# KiCad board redherring.kicad_pcb (continued)
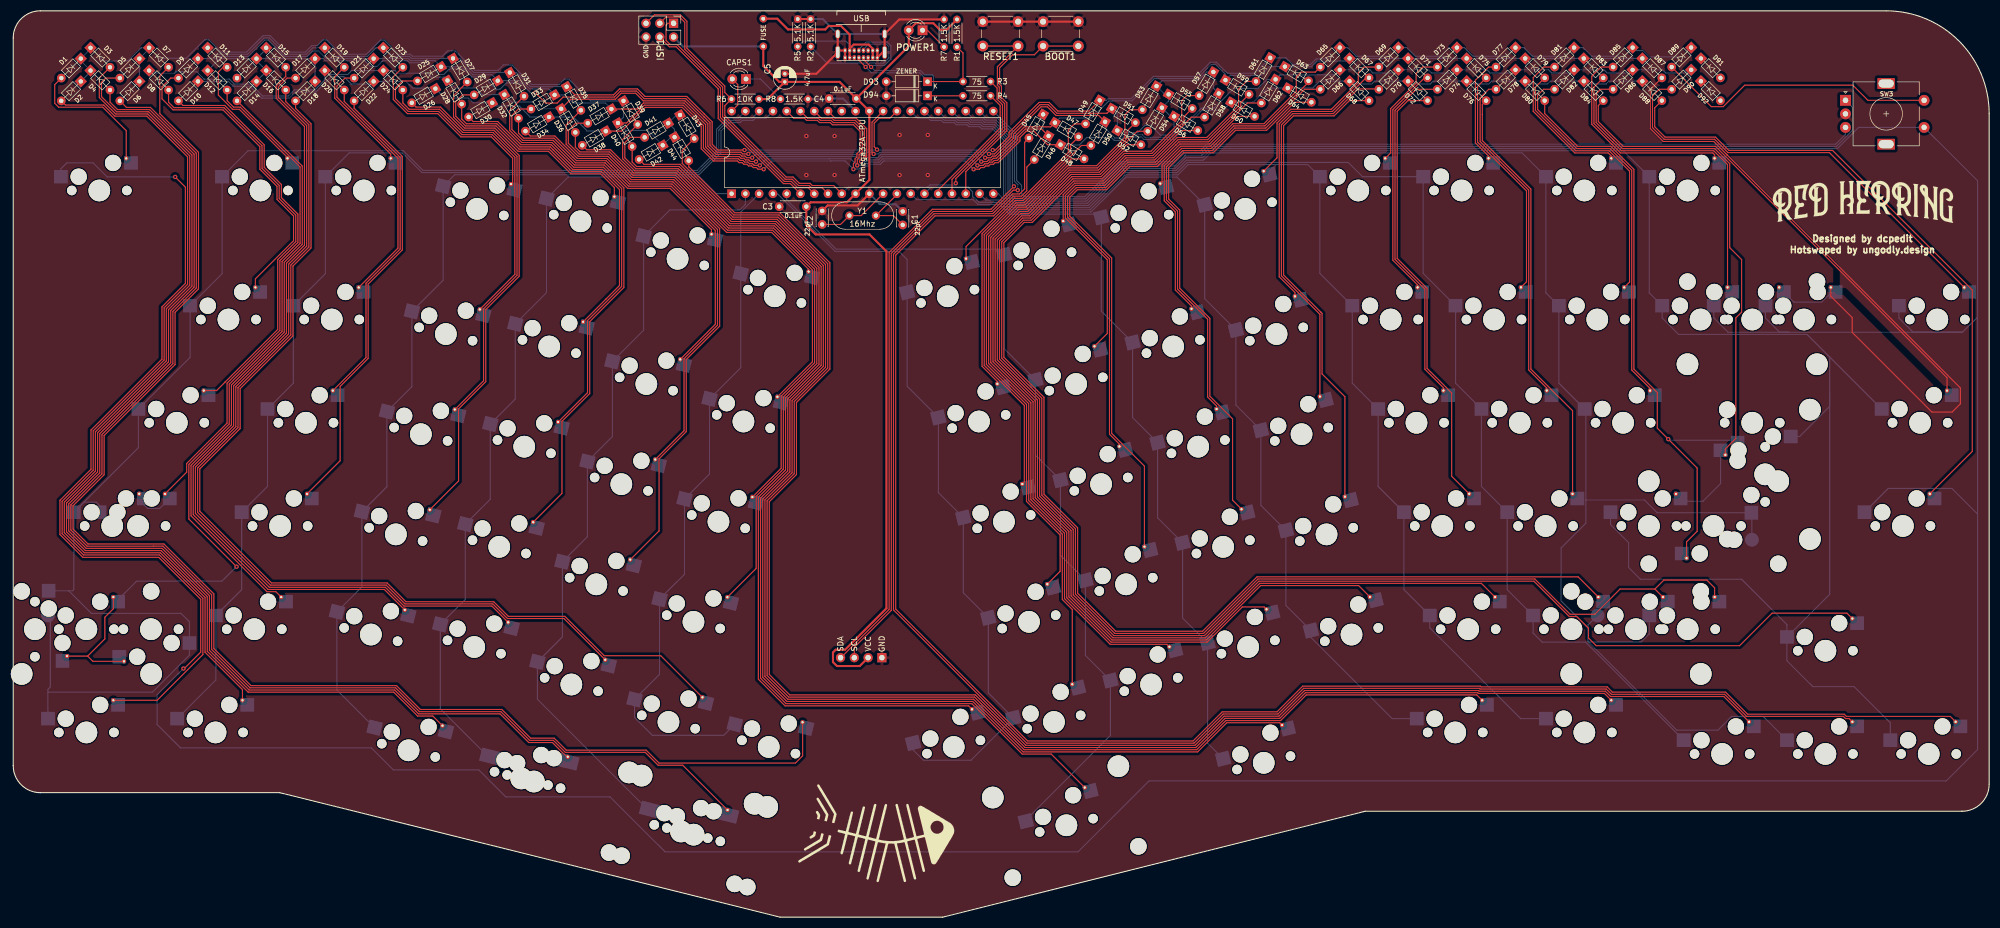
[diagram p0: board, top side]
## Routing (per net, layer and track width the routed paths; a pad name or vN(x,y) marks a point on that pad's centre or on a via; arc(x,y) is an arc through that point) (continued)
Net-(D21-Pad2): length 48.6
  Top w0.203: MX202.2 70.95,123.46 70.95,140.05 59.69,151.31 59.69,153.36 61.17,154.84 D21.2
Net-(D22-Pad2): length 83.5
  Top w0.203: MX402.2 60.28,84.22 60.28,97.94 65.45,103.1 65.45,116.82 71.75,123.13 71.75,140.38 62.86,149.27 D22.2
Net-(D23-Pad2): length 38.1
  Top w0.203: MX103.2 92.09,135.56 92.09,140.06 88.15,144 82.56,144 78.28,148.28 72.69,148.28 70.08,150.89 70.08,155.08 D23.2
Net-(D24-Pad2): length 79
  Top w0.203: MX303.2 86.73,98.98 86.73,112.29 92.9,118.45 92.9,140.39 88.48,144.81 82.9,144.81 78.62,149.09 73.03,149.09 71.84,150.27 D24.2
Net-(D25-Pad2): length 63.8
  Top w0.203: D25.2 71.78,154.31 70.48,153.02 70.48,151.06 72.86,148.68 78.45,148.68 82.73,144.4 88.32,144.4 92.49,140.23 92.49,118.62 MX203.2
Net-(D26-Pad2): length 96
  Top w0.203: MX403.2 82.12,80.5 82.12,93.8 87.14,98.82 87.14,112.12 93.3,118.28 93.3,140.56 88.65,145.21 83.06,145.21 78.79,149.49 74.29,149.49 D26.2
Net-(D27-Pad2): length 44.2
  Top w0.203: D27.2 81.22,151.63 81.22,151.13 81.19,151.1 81.19,147.65 83.23,145.61 88.82,145.61 93.1,141.33 98.69,141.33 102.84,137.18 108.32,137.18 110.85,134.64 MX104.2
Net-(D28-Pad2): length 85.5
  Top w0.203: D28.2 82.7,147.29 83.57,146.42 89.18,146.42 93.46,142.14 99.02,142.14 99.57,141.59 99.57,141.59 103.18,137.99 108.65,137.99 112.2,134.44 112.2,116.39 105.9,110.1 105.9,96.79 MX304.2
Net-(D29-Pad2): length 69.6
  Top w0.203: D29.2 82.83,151.74 81.59,150.5 81.59,147.82 83.4,146.02 89.01,146.02 93.29,141.74 98.85,141.74 103.01,137.58 108.48,137.58 111.79,134.27 111.79,116.56 109.27,114.03 MX204.2
Net-(D30-Pad2): length 102.7
  Top w0.203: D30.2 84.82,146.82 89.35,146.82 93.62,142.54 99.19,142.54 103.34,138.39 108.82,138.39 112.6,134.61 112.6,116.2 106.3,109.9 106.3,96.62 101.19,91.51 101.19,78.2 MX404.2
Net-(D31-Pad2): length 53
  Top w0.203: MX105.2 128.76,126.86 121.14,134.49 113.29,134.49 108.99,138.79 103.51,138.79 99.36,142.95 93.79,142.95 91.54,145.19 91.54,148.86 D31.2
Net-(D32-Pad2): length 94
  Top w0.203: D32.2 93.17,144.7 94.13,143.75 99.71,143.75 103.86,139.6 109.32,139.6 110.24,138.68 113.62,135.3 121.47,135.3 129.87,126.9 129.87,109.23 123.7,103.07 123.7,89.77 MX305.2
Net-(D33-Pad2): length 78.3
  Top w0.203: D33.2 93.13,149.13 91.95,147.94 91.95,145.36 93.96,143.35 99.54,143.35 103.7,139.2 109.15,139.2 113.45,134.89 121.3,134.89 129.46,126.73 129.46,109.4 MX205.2
Net-(D34-Pad2): length 111.2
  Top w0.203: D34.2 95.35,144.16 99.88,144.16 104.03,140 109.49,140 113.79,135.7 121.64,135.7 130.27,127.07 130.27,109.07 124.1,102.9 124.1,89.6 119.09,84.59 119.09,71.28 MX405.2
Net-(D35-Pad2): length 62.1
  Top w0.203: MX106.2 146.67,119.55 139.86,126.36 131.55,126.36 121.8,136.1 113.96,136.1 109.65,140.41 104.2,140.41 101.96,142.65 101.96,146.18 D35.2
Net-(D36-Pad2): length 103
  Top w0.203: D36.2 103.65,142.09 104.53,141.21 109.99,141.21 114.29,136.91 122.14,136.91 131.88,127.17 140.19,127.17 147.77,119.58 147.77,102.32 141.61,96.15 141.61,82.85 MX306.2
Net-(D37-Pad2): length 87.3
  Top w0.203: MX206.2 147.37,102.48 147.37,119.42 140.02,126.76 131.71,126.76 121.97,136.51 114.12,136.51 109.82,140.81 104.37,140.81 102.36,142.81 102.36,145.16 103.72,146.51 D37.2
Net-(D38-Pad2): length 120.2
  Top w0.203: MX406.2 137,64.36 137,77.67 142.01,82.68 142.01,95.99 148.18,102.15 148.18,119.75 140.36,127.57 132.05,127.57 122.3,137.31 114.46,137.31 110.15,141.62 105.76,141.62 D38.2
Net-(D39-Pad2): length 174.3
  Top w0.203: D39.2 112.37,143.51 112.37,139.97 114.62,137.72 122.47,137.72 132.21,127.97 140.52,127.97 148.58,119.92 148.58,101.98 142.42,95.82 142.42,82.51 137.4,77.5 137.4,43.92 142.32,39 176.17,39 MX607.2
Net-(D40-Pad2): length 230.5
  Top w0.203: D40.2 114.13,139.35 114.96,138.52 122.81,138.52 132.55,128.78 140.85,128.78 149.38,120.25 149.38,101.65 143.22,95.48 143.22,82.18 138.21,77.17 138.21,44.25 142.66,39.81 176.93,39.81 186.23,30.5 218.4,30.5 223.78,35.88 233.54,35.88 MX609.2
Net-(D41-Pad2): length 200.1
  Top w0.203: MX608.2 191.41,30.1 186.07,30.1 176.76,39.4 142.49,39.4 137.81,44.08 137.81,77.33 142.82,82.35 142.82,95.65 148.98,101.82 148.98,120.08 140.69,128.38 132.38,128.38 122.64,138.12 114.79,138.12 112.78,140.13 112.78,142.91 113.77,143.9 D41.2
Net-(D42-Pad2): length 265.5
  Top w0.203: MX610.2 269.87,41.02 238.45,41.02 233.71,36.28 223.61,36.28 218.23,30.9 186.4,30.9 177.09,40.21 142.82,40.21 138.61,44.42 138.61,77 143.62,82.01 143.62,95.32 149.79,101.48 149.79,120.42 141.02,129.18 132.72,129.18 122.97,138.93 116.32,138.93 D42.2
Net-(D43-Pad2): length 286.6
  Top w0.203: MX611.2 293.41,41.29 270.17,41.29 270.04,41.42 238.28,41.42 233.54,36.68 223.44,36.68 218.07,31.31 186.57,31.31 177.26,40.61 142.99,40.61 139.01,44.59 139.01,76.83 144.03,81.85 144.03,95.15 150.19,101.31 150.19,120.58 141.19,129.59 132.88,129.59 123.37,139.09 123.37,141.48 D43.2
Net-(D44-Pad2): length 307.8
  Top w0.203: MX612.2 315.42,40.72 294.55,40.72 293.58,41.69 270.34,41.69 270.21,41.82 238.12,41.82 233.38,37.09 223.28,37.09 217.9,31.71 186.73,31.71 177.43,41.01 143.19,41.01 139.42,44.78 139.42,76.67 144.43,81.68 144.43,94.98 150.59,101.15 150.59,120.75 141.35,129.99 133.05,129.99 124.56,138.47 D44.2
Net-(D45-Pad2): length 298.3
  Top w0.203: MX613.2 338.54,36.65 337.88,36.65 337.48,37.05 319.65,37.05 315.58,41.12 294.72,41.12 293.75,42.1 270.5,42.1 270.37,42.23 237.95,42.23 233.21,37.49 223.11,37.49 217.73,32.11 186.9,32.11 162.32,56.69 162.32,122.32 169.82,129.82 180.63,129.82 184.26,133.45 185.57,133.45 186.5,134.38 186.5,142.99 D45.2
Net-(D46-Pad2): length 313.2
  Top w0.203: MX614.2 357.18,37.05 338.05,37.05 337.64,37.45 319.82,37.45 315.75,41.52 294.89,41.52 293.91,42.5 270.67,42.5 270.54,42.63 237.78,42.63 233.04,37.89 222.94,37.89 217.57,32.51 187.07,32.51 162.73,56.86 162.73,122.15 169.99,129.42 180.8,129.42 184.43,133.05 185.91,133.05 186.91,134.04 186.91,138.42 D46.2
Net-(D47-Pad2): length 55
  Top w0.203: D47.2 194.97,142.52 194.97,140.96 186.25,132.24 184.76,132.24 178.65,126.13 178.65,101.66 181.47,98.85 MX207.2
Net-(D48-Pad2): length 94.8
  Top w0.203: MX407.2 193.05,63.82 193.05,70.52 186.85,76.72 186.85,94.6 179.46,102 179.46,125.8 184.86,131.2 185.1,131.44 186.58,131.44 195.08,139.93 D48.2
Net-(D49-Pad2): length 36.1
  Top w0.203: MX107.2 175.71,123.76 184.6,132.65 186.08,132.65 194.56,141.13 194.56,145.28 195.67,146.39 D49.2
Net-(D50-Pad2): length 75.7
  Top w0.203: MX307.2 186.45,80.31 186.45,94.44 179.05,101.83 179.05,125.96 184.93,131.84 186.41,131.84 196.98,142.41 D50.2
Net-(D51-Pad2): length 131.6
  Top w0.203: MX508.2 212.74,50.35 202.29,50.35 193.86,58.78 193.86,70.85 187.66,77.05 187.66,94.94 180.26,102.33 180.26,125.46 185.43,130.63 186.92,130.63 194.55,138.27 199.94,138.27 205.4,143.73 205.4,145.08 D51.2
Net-(D52-Pad2): length 169.6
  Top w0.203: MX510.2 248.09,61.19 230.02,61.19 219.98,51.15 202.63,51.15 194.66,59.12 194.66,71.18 188.46,77.38 188.46,95.27 181.07,102.66 181.07,125.12 185.77,129.82 187.25,129.82 194.89,137.46 200.27,137.46 205.35,142.54 D52.2
Net-(D53-Pad2): length 129.5
  Top w0.203: MX507.2 195.29,56.78 193.45,58.62 193.45,70.69 187.25,76.88 187.25,94.77 179.86,102.16 179.86,125.63 185.26,131.03 186.75,131.03 194.39,138.67 199.77,138.67 204.99,143.89 204.99,148.08 205.91,149 D53.2
Net-(D54-Pad2): length 151.8
  Top w0.203: MX509.2 230.67,57.25 226.65,57.25 220.15,50.75 202.46,50.75 194.26,58.95 194.26,71.02 188.06,77.22 188.06,95.1 180.66,102.5 180.66,125.29 185.6,130.23 187.08,130.23 194.72,137.87 200.11,137.87 207.26,145.02 D54.2
Net-(D55-Pad2): length 276.9
  Top w0.203: MX514.2 338.13,56.1 324.34,56.1 318.34,50.1 291.9,50.1 290.48,51.52 290.48,53.31 288.31,55.48 286.94,55.48 280.42,62 229.69,62 219.65,51.96 202.96,51.96 195.47,59.45 195.47,71.52 189.27,77.72 189.27,95.6 181.87,103 181.87,124.79 186.1,129.02 187.58,129.02 195.22,136.66 200.61,136.66 204.89,140.94 209.97,140.94 215.87,146.84 215.87,147.7 D55.2
Net-(D56-Pad2): length 219.3
  Top w0.203: D56.2 215.33,145.16 210.31,140.13 205.22,140.13 200.94,135.85 195.56,135.85 187.92,128.21 186.43,128.21 182.68,124.46 182.68,103.33 190.07,95.94 190.07,78.05 196.27,71.85 196.27,59.78 203.29,52.76 219.31,52.76 229.35,62.8 288.57,62.8 MX512.2
Net-(D57-Pad2): length 208.3
  Top w0.203: MX511.2 270.73,61.59 229.85,61.59 219.82,51.56 202.79,51.56 195.07,59.28 195.07,71.35 188.86,77.55 188.86,95.44 181.47,102.83 181.47,124.96 185.93,129.42 187.42,129.42 195.05,137.06 200.44,137.06 204.72,141.34 209.81,141.34 215.47,147.01 215.47,150.69 216.39,151.61 D57.2
Net-(D58-Pad2): length 252.3
  Top w0.203: MX513.2 313.74,60.77 312.31,62.2 304.37,62.2 302.73,60.55 ; 302.73,60.55 296.3,60.55 291.64,55.89 287.1,55.89 280.59,62.4 229.52,62.4 219.48,52.36 203.13,52.36 195.87,59.62 195.87,71.68 189.67,77.89 189.67,95.77 182.27,103.16 182.27,124.62 186.26,128.61 187.75,128.61 195.39,136.25 200.77,136.25 205.06,140.54 210.14,140.54 217.24,147.63 D58.2 ; 302.73,60.55 MX513.225.2
Net-(D59-Pad2): length 74.1
  Top w0.203: MX208.2 201.75,107.71 201.75,121.31 194.02,129.04 194.02,133.17 195.89,135.04 201.27,135.04 205.56,139.33 210.64,139.33 214.79,143.48 220.26,143.48 226.35,149.57 226.35,150.31 D59.2
Net-(D60-Pad2): length 110.4
  Top w0.203: MX408.2 208.59,83.24 202.55,89.28 202.55,121.64 194.82,129.37 194.82,132.84 196.22,134.24 201.61,134.24 205.89,138.52 210.98,138.52 211.21,138.76 211.22,138.76 215.13,142.67 220.59,142.67 225.69,147.77 D60.2
Net-(D61-Pad2): length 50.9
  Top w0.203: MX108.2 193.62,133.34 195.72,135.45 201.11,135.45 205.39,139.73 210.47,139.73 214.62,143.88 220.09,143.88 225.95,149.74 225.95,152.79 227.39,154.23 D61.2
Net-(D62-Pad2): length 93
  Top w0.203: D62.2 227.6,150.25 220.43,143.07 214.97,143.07 214.38,142.48 214.37,142.48 210.81,138.92 205.72,138.92 201.44,134.64 196.06,134.64 194.42,133 194.42,129.2 202.15,121.47 202.15,89.12 203.98,87.28 MX308.2
Net-(D63-Pad2): length 61.4
  Top w0.203: 238.84,154.06 230.8,146.02 225.08,146.02 220.93,141.86 215.47,141.86 212.25,138.65 212.25,132.19 214.29,130.15 214.29,115.74 217.28,112.75 MX209.2
Net-(D64-Pad2): length 99.9
  Top w0.203: D64.2 236.31,150.38 231.13,145.21 225.41,145.21 221.26,141.06 215.8,141.06 213.06,138.31 213.06,132.53 215.1,130.48 215.1,116.07 220.65,110.52 220.65,96.15 224.85,91.95 224.85,76.94 MX409.2
Net-(D65-Pad2): length 41.8
  Top w0.203: MX109.2 211.85,135.69 211.85,138.81 215.3,142.27 220.76,142.27 224.91,146.42 230.63,146.42 236.6,152.39 236.6,155.06 237.49,155.94 240.09,155.94 D65.2
Net-(D66-Pad2): length 82.8
  Top w0.203: MX309.2 221.89,94.34 220.25,95.98 220.25,110.35 214.7,115.9 214.7,130.32 212.65,132.36 212.65,138.48 215.63,141.46 217.96,141.46 217.96,141.46 221.09,141.46 225.25,145.61 230.97,145.61 238.13,152.78 D66.2
Net-(D67-Pad2): length 52.5
  Top w0.203: 249.44,154.88 243.25,148.68 235.75,148.68 233.45,146.39 233.45,118.18 236.34,115.29 MX210.2
Net-(D68-Pad2): length 90.8
  Top w0.203: MX410.2 245.56,96.04 241.36,100.24 241.36,111.42 241.12,111.66 241.11,111.66 234.26,118.51 234.26,146.05 236.09,147.88 243.58,147.88 246.38,150.68 D68.2
Net-(D69-Pad2): length 34
  Top w0.203: MX110.2 233.05,140.13 233.05,146.55 235.58,149.09 243.08,149.09 248.03,154.04 248.03,155.82 249.09,156.88 D69.2
Net-(D70-Pad2): length 73.7
  Top w0.203: MX310.2 240.95,111.25 240.95,111.25 233.85,118.35 233.85,146.21 235.92,148.28 243.41,148.28 247.97,152.84 251.76,152.84
Net-(D71-Pad2): length 43
  Top w0.203: MX211.2 258.97,116.66 254.4,121.23 254.4,149.04 260.24,154.88
Net-(D72-Pad2): length 82.5
  Top w0.203: D72.2 257.17,150.68 255.21,148.71 255.21,121.56 260.71,116.06 260.71,101.29 265.25,96.75 265.25,81.36 MX411.2
Net-(D73-Pad2): length 22.4
  Top w0.203: MX111.2 254,141.03 254,149.21 258.7,153.91 258.7,155.69 259.89,156.88 D73.2
Net-(D74-Pad2): length 64.8
  Top w0.203: D74.2 258.7,152.78 254.8,148.88 254.8,121.4 260.31,115.89 260.31,101.12 263.73,97.7 MX311.2
Net-(D75-Pad2): length 43.5
  Top w0.203: MX212.2 279.05,117.25 279.05,134.02 270.02,143.05 270.02,153.3 D75.2
Net-(D76-Pad2): length 79.7
  Top w0.203: MX412.2 287.54,93.46 279.85,101.15 279.85,134.36 270.91,143.3 270.91,148.09 270.91,148.09 270.91,149.98 D76.2
Net-(D77-Pad2): length 20.2
  Top w0.203: D77.2 272.05,156.88 269.62,154.45 269.62,142.88 272.05,140.45 MX112.2
Net-(D78-Pad2): length 62.7
  Top w0.203: D78.2 272.07,152.78 270.5,151.21 270.5,143.14 279.45,134.19 279.45,100.98 282.78,97.65 MX312.2
Net-(D79-Pad2): length 50.6
  Top w0.203: D79.2 280.69,153.17 280.69,148.87 288.13,141.43 294.27,141.43 298.05,137.66 298.05,117.2 MX213.2
Net-(D80-Pad2): length 113.3
  Top w0.203: MX413.225.2 308.56,69.26 310.52,71.22 310.52,82.88 v1(305.19,88.22) 303.17,90.23 303.17,96.82 298.85,101.14 298.85,137.99 294.61,142.24 288.47,142.24 282.4,148.3 D80.2
  Bottom w0.203: v1(305.19,88.22) 305.39,88.01 317.98,88.01
Net-(D81-Pad2): length 29.2
  Top w0.203: D81.2 282.24,156.88 280.29,154.93 280.29,148.7 287.96,141.03 294.11,141.03 294.69,140.45 MX113.2
Net-(D82-Pad2): length 70.3
  Top w0.203: MX313.2 301.83,97.59 298.45,100.97 298.45,137.83 294.44,141.84 288.3,141.84 286.79,143.35 281.1,149.04 281.1,151.67 282.2,152.78 D82.2
Net-(D83-Pad2): length 59.5
  Top w0.203: MX214.2 316.12,138.88 313.57,141.43 296.55,141.43 294.94,143.04 294.92,143.04 291.49,146.48 291.49,153.16 D83.2
Net-(D84-Pad2): length 90.5
  Top w0.203: D84.2 292.29,149.77 292.29,146.81 295.26,143.85 295.27,143.85 296.89,142.24 313.9,142.24 356.6,99.54 MX414.2
Net-(D85-Pad2): length 39.2
  Top w0.203: D85.2 292.78,156.88 291.08,155.18 291.08,146.32 294.76,142.64 294.77,142.64 296.38,141.03 313.4,141.03 313.74,140.69 MX114.2
Net-(D86-Pad2): length 106.8
  Top w0.203: MX314.150.2 315.71,86.41 317.65,88.35 317.65,110.58 318.72,111.64 318.72,121.35 316.52,123.55 316.52,139.05 313.73,141.84 296.72,141.84 295.11,143.45 295.09,143.45 291.89,146.65 291.89,151.92 292.74,152.78 D86.2
  Bottom w0.203: MX314.150.2 314.83,80 311.58,76.75 307.98,76.75
Net-(D87-Pad2): length 138.1
  Top w0.203: D87.2 301.88,152.75 301.88,145.53 304.26,143.14 313.57,143.14 315.79,140.92 316.04,140.67 316.08,140.67 316.08,140.63 359.06,97.65 359.06,94.73 357.54,93.21 353.81,93.21 339.11,107.91 339.11,110.64 335.17,114.58 MX215.2
  Bottom w0.203: 335.17,115.18 333.51,113.52 328.34,113.52 MX215.2.2
Net-(D88-Pad2): length 117.3
  Top w0.203: MX415.2 361.25,85.94 361.25,115.73 335.49,141.49 316.36,141.49 313.9,143.95 304.6,143.95 302.69,145.86 302.69,149.36 D88.2
Net-(D89-Pad2): length 52.4
  Top w0.203: D89.2 313.13,149.58 315.33,149.58 319.29,153.53 339.22,153.53 342.01,150.74 SW3.S2
Net-(D90-Pad2): length 79.6
  Top w0.203: D90.2 303.54,152.78 302.28,151.52 302.28,145.7 304.43,143.55 313.73,143.55 316.19,141.09 334.9,141.09 MX315.2
Net-(D93-Pad1): length 40.5
  Top w0.203: USB.A7 155.94,158.14 v1(157.19,156.89) ; R1.2 175.14,159.48 R3.2 168.63,154.21
  Bottom w0.203: 168.6,154.35 167.13,155.82 158.27,155.82 v1(157.19,156.89) 157.2,156.89 157.9,157.59 160.51,157.59 161.45,158.53 161.45,160.65 161.01,161.09 157.73,161.09 157.01,160.37 157.01,160.16 USB.B7
Net-(D94-Pad1): length 38.3
  Top w0.203: v1(158.19,156.89) 156.79,158.29 ; R4.2 D94.1
  Bottom w0.203: D94.1 169.7,152.67 169.7,155.22 169.48,155.44 168.08,155.44 167.3,156.22 158.86,156.22 v1(158.19,156.89) 158.49,157.19 160.68,157.19 161.85,158.36 161.85,160.82 161.17,161.49 157.29,161.49 155.94,160.15
Net-(POWER1-Pad1): length 5.2
  Top w0.203: R7.1 168.57,163.67 POWER1.1
Net-(R2-Pad2): length 12.7
  Bottom w0.203: USB.A5 157.64,157.91 157.33,157.59 150.1,157.59 R2.2
Net-(R5-Pad2): length 11.5
  Bottom w0.203: R5.2 145.66,161.66 153.58,161.66 155.09,160.15

## Copper pours and planes (outline as drawn; the poured copper is in the pictures)
GND on Top, Bottom: 364.33,19.55 249.68,19.55 171.2,-0.01 141.22,-0.01 49.28,22.85 -0.13,22.85 -0.13,167.37 364.33,167.37

## Text on the board
F.Mask: Rev 2 hotswap
F.Silkscreen: ZENER | GND | Designed by dcpedit | Hotswaped by ungodly.design
